# Altium PCB spd150.PcbDoc (part 10 of 16)
Units mm, origin at the board's own origin, x right, y up, seen from the top; angles counter-clockwise.
Board outline 217.35 x 147.5 mm, 10 copper layers (TOP, LYR2-PLN, LYR3-SIG, LYR4-SIG, LYR5-PLN, LYR6-PLN, LYR7-SIG, LYR8-SIG, LYR9-PLN, BOTTOM), stack 2.134 mm thick; 1065 components, 972 nets, 4226 pads, 2810 vias.
Unrouted connection lines stored in the file: 16.
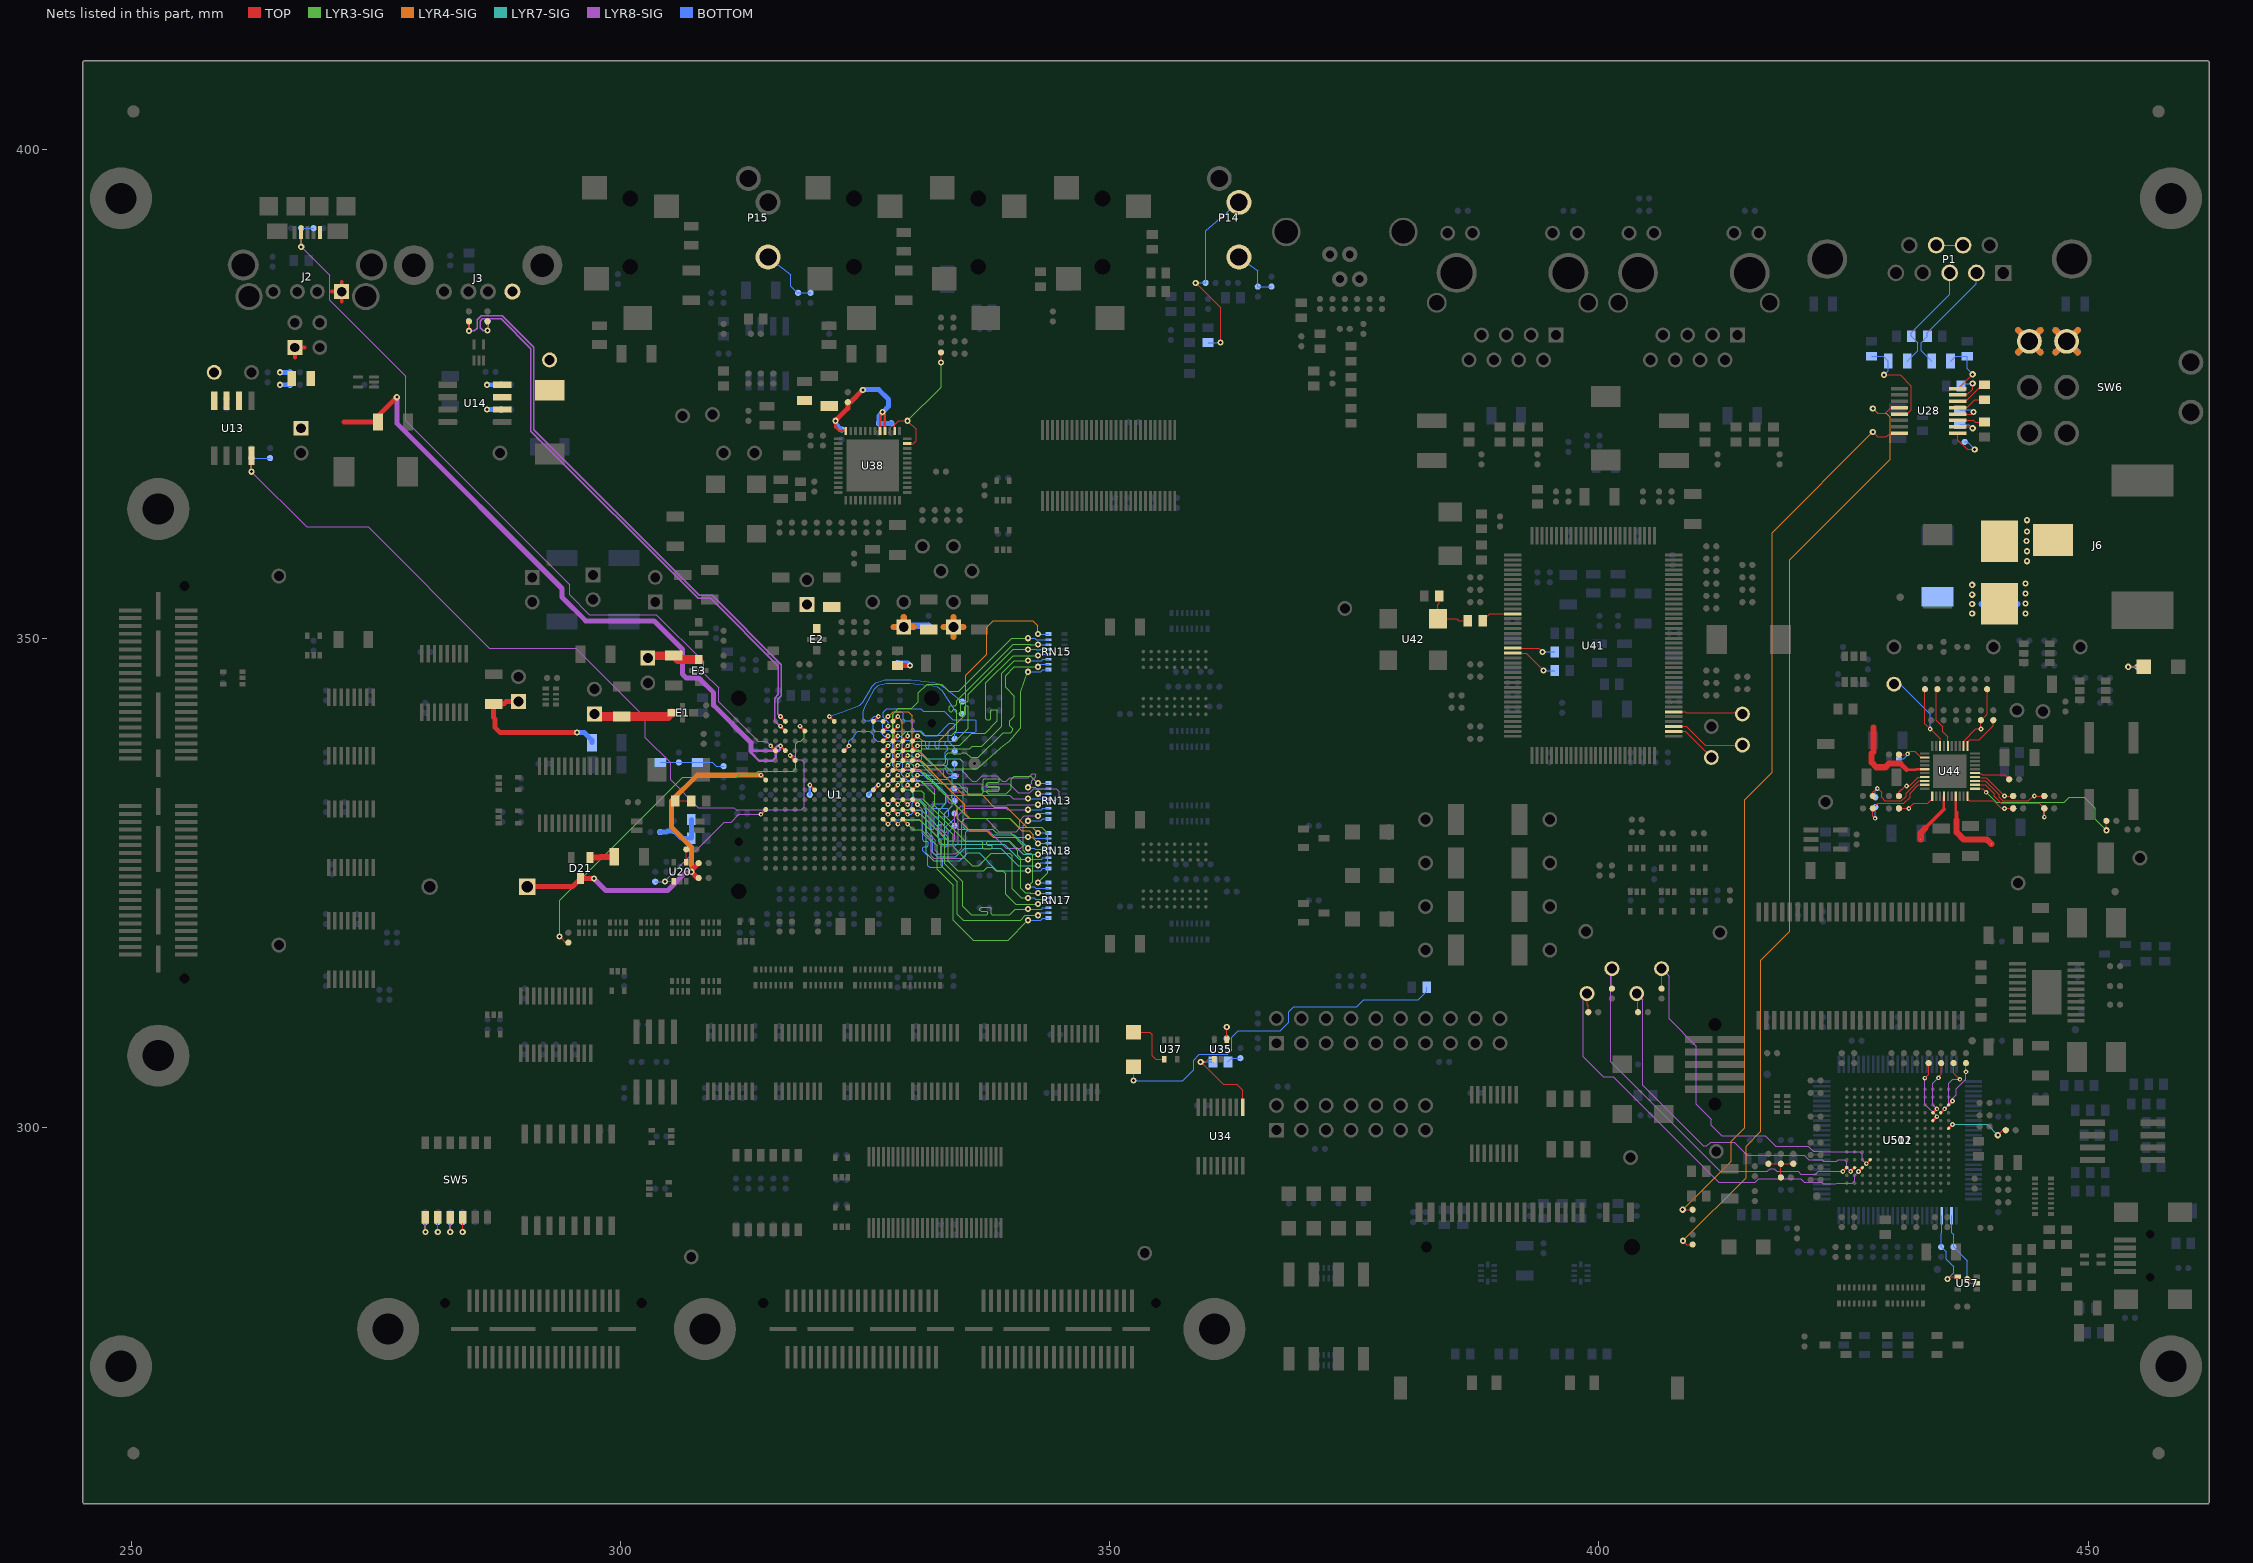
[diagram p18: the nets of this part, all layers, seen from the top]

## Via types
v1: diameter 0.635, hole 0.305, TOP to BOTTOM, 2018 vias
v2: diameter 0.483, hole 0.203, TOP to BOTTOM, 651 vias
v3: diameter 0.508, hole 0.254, TOP to BOTTOM, 120 vias
v4: diameter 0.559, hole 0.254, TOP to BOTTOM, 21 vias

## Nets (pads, with @x,y where several pads share a name; then routed paths per layer and width w, separated by ;. In a path a pad name is that pad's centre, name@x,y a point inside that pad or via, vN(x,y) a via of type N, cw(c..) or ccw(c..) an arc to the next point about the centre after c; other vN are vias at no path point) (continued)
N16604397: R595.1 U502.J1 | length 6.7
  TOP w0.127: v1(440.766,299.212) 441.274,299.72 R595.1@441.579,299.72
  TOP w0.254: U502.J1@435.732,299.905 v2(436.131,300.304)
  LYR7-SIG w0.102: v2(436.131,300.304) 438.277,300.304
  LYR7-SIG w0.127: 438.277,300.304 439.674,300.304 v1(440.766,299.212)
N16611630: R591.2 U502.L2 | length 6.6
  TOP w0.102: R591.2@436.245,306.578 436.245,305.562 v2(436.88,304.927)
  TOP w0.254: U502.L2@434.932,301.506 v2(435.331,301.904)
  LYR8-SIG w0.102: v2(435.331,301.904) 435.737,302.311 435.737,304.495 436.169,304.927 v2(436.88,304.927)
N16612045: R592.2 U502.L3 | length 5.8
  TOP w0.102: v2(434.696,305.079) 434.696,305.156 434.975,305.435 R592.2@434.975,306.578
  TOP w0.254: U502.L3@434.132,301.506 v2(434.53,301.904)
  LYR8-SIG w0.102: v2(434.53,301.904) 434.124,302.311 434.124,304.508 v2(434.696,305.079)
N16612462: R593.2 U502.K3 | length 6.7
  TOP w0.102: v2(433.311,305.041) 433.705,305.435 R593.2@433.705,306.578
  TOP w0.254: U502.K3@434.132,300.706 v2(434.53,301.104)
  LYR8-SIG w0.102: v2(433.311,305.041) 433.324,305.029 433.324,302.387 434.53,301.18 v2(434.53,301.104)
N16612881: R594.2 U502.M1 | length 5
  TOP w0.102: v2(437.515,305.689) R594.2@437.515,306.578
  TOP w0.254: U502.M1@435.732,302.306 v2(436.131,302.704)
  LYR8-SIG w0.102: v2(436.131,302.704) 436.131,302.946 436.524,303.339 436.524,303.936 437.515,304.927 v2(437.515,305.689)
N16777956: C131.1 L4.1 U28.8 | length 6.1
  TOP w0.127: U28.8@436.692,375.529 437.591,376.428 437.642,376.428 v1(438.201,376.987)
  BOTTOM w0.127: L4.1@435.94,378.333 436.448,378.841 C131.1@437.642,378.841 437.642,377.546 v1(438.201,376.987)
N16777958: C132.1 L4.2 P1.2 | length 11.8
  BOTTOM w0.127: L4.2@434.01,378.333 432.943,379.4 432.943,380.238 C132.1@433.578,380.873 433.578,381.254 438.582,386.258 P1.2@438.582,387.35
N16777981: C133.1 U28.2 | length 3.1
  TOP w0.127: U28.2@436.692,371.627 438.048,371.627 v1(438.201,371.475)
  BOTTOM w0.127: C133.1@436.88,371.856 437.82,371.856 v1(438.201,371.475)
N16777985: C133.2 U28.4 | length 3.2
  TOP w0.127: U28.4@436.692,372.928 438.079,372.928 v1(438.277,373.126)
  BOTTOM w0.127: C133.2@436.88,373.38 438.023,373.38 v1(438.277,373.126)
N16777987: C134.2 U28.6 | length 3.4
  TOP w0.127: U28.6@436.692,374.228 437.474,374.228 439.166,375.92 C134.2@439.42,375.92
N16777995: C130.1 L3.2 P1.3 | length 11.3
  BOTTOM w0.127: L3.2@431.495,378.333 432.562,379.4 432.562,380.238 C130.1@431.927,380.873 431.927,381.254 435.839,385.166 P1.3@435.839,387.35
N16778000: C135.1 U28.7 | length 3.6
  TOP w0.127: U28.7@436.692,374.879 437.617,374.879 438.201,375.463 v1(438.201,376.047)
  BOTTOM w0.127: C135.1@437.007,375.793 437.261,376.047 v1(438.201,376.047)
N16778004: C136.1 U28.3 | length 2.8
  TOP w0.127: U28.3@436.692,372.278 438.277,372.278 438.445,372.11 C136.1@439.42,372.11
N16778012: P1.7 P1.8 | length 2.7
  BOTTOM w0.127: P1.8@434.467,390.195 P1.7@437.21,390.195
N16778026: C134.1 U28.5 | length 3.1
  TOP w0.127: U28.5@436.692,373.578 437.586,373.578 438.404,374.396 C134.1@439.42,374.396
N16778040: C129.1 L3.1 U28.13 | length 10.6
  TOP w0.127: v1(429.133,376.936) 430.784,376.936 431.927,375.793 431.927,373.38 431.475,372.928 U28.13@430.718,372.928
  BOTTOM w0.127: C129.1@427.863,378.841 429.057,378.841 L3.1@429.565,378.333 429.565,377.368 v1(429.133,376.936)
N16778044: R148.2 U28.16 | length 91.7
  TOP w0.127: v1(408.559,291.592) R148.2@409.575,291.592 ; v1(427.99,371.094) 428.498,370.586 429.387,370.586 429.778,370.977 U28.16@430.718,370.977
  LYR4-SIG w0.127: v1(408.559,291.592) 413.512,296.545 413.512,298.577 414.909,299.974 414.909,333.502 417.703,336.296 417.703,360.807 v1(427.99,371.094)
N16778046: R149.2 U28.12 | length 99.4
  TOP w0.127: v1(408.584,288.417) 408.965,288.036 R149.2@409.575,288.036 ; v1(427.99,373.507) 428.498,372.999 429.26,372.999 429.839,373.578 U28.12@430.718,373.578
  LYR4-SIG w0.127: v1(408.584,288.417) 415.049,294.881 415.049,298.082 416.56,299.593 416.56,317.119 419.481,320.04 419.481,358.013 429.768,368.3 429.768,372.618 429.387,372.999 428.498,372.999 v1(427.99,373.507)
N16778064: R150.2 U28.1 | length 4.1
  TOP w0.127: U28.1@436.692,370.977 436.692,370.266 437.642,369.316 v1(438.404,369.316)
  BOTTOM w0.127: R150.2@437.388,370.078 437.642,370.078 v1(438.404,369.316)
N16850944: C188.1 P15.2 R221.2 | length 6.4
  BOTTOM w0.127: P15.2@315.062,388.976 317.373,387.172 317.373,385.991 318.046,385.318 R221.2@318.135,385.318 C188.1@319.405,385.318
N16851099: C178.2 P14.5 R211.2 | length 19.2
  TOP w0.127: v1(358.775,386.334) 361.315,383.794 v1(361.315,380.238)
  BOTTOM w0.127: v1(358.775,386.334) R211.2@359.791,386.334 359.791,391.668 P14.5@363.195,394.564 ; C178.2@360.045,380.238 v1(361.315,380.238)
N16851113: P14.2 R216.2 R390.1 | length 5.4
  BOTTOM w0.127: P14.2@363.195,388.976 365.125,387.553 R216.2@365.125,385.953 R390.1@366.522,385.953
N16874132: C29.1 C30.1 J3.1 R60.1 TP4.1 U14.6 U14.7 U14.8 | length 2.9
  BOTTOM w0.508: v1(286.334,373.38) R60.1@287.782,373.38 ; v1(286.334,375.92) C30.1@287.782,375.92
N16933246: R120.2 R223.1 U1.B3 | length 60.9
  TOP w0.152: v1(286.385,381.457) R223.1@286.385,382.397
  TOP w0.254: v2(316.324,341.015) U1.B3@316.824,340.515
  LYR8-SIG w0.152: v1(286.385,381.457) 285.928,381.457 285.623,381.762 285.623,382.417 285.857,382.651 287.782,382.651 290.812,379.621 290.812,371.175 307.911,354.076 309.207,354.076 316.116,347.167 316.116,344.272 315.737,343.893 315.737,342.196 315.742,342.191 315.742,341.597 v2(316.324,341.015)
  BOTTOM w0.152: v1(286.385,381.457) R120.2@286.385,382.397
N16933323: R375.1 R393.1 U1.A3 | length 61
  TOP w0.152: v1(284.48,381.432) R375.1@284.48,382.397
  TOP w0.254: v2(316.324,342.016) U1.A3@316.824,341.516
  LYR8-SIG w0.152: v1(284.48,381.432) 285.039,381.432 285.318,381.711 285.318,382.544 285.73,382.956 287.909,382.956 291.117,379.748 291.117,371.302 308.038,354.381 309.334,354.381 316.421,347.294 316.421,344.145 316.042,343.766 316.042,342.323 316.047,342.318 316.047,342.293 v2(316.324,342.016)
  BOTTOM w0.152: v1(284.48,381.432) R393.1@284.48,382.397
N16979638: R99.2 U1.K15 | length 16.3
  TOP w0.254: U1.K15@328.833,332.509 v2(329.334,332.008)
  BOTTOM w0.102: v2(329.334,332.008) 329.722,332.008 330.116,332.402 330.665,332.402 330.835,332.232 330.835,331.8
  BOTTOM w0.127: 330.835,331.8 331.241,331.394 331.241,329.971 331.368,329.844 331.775,329.844 331.902,329.717 331.902,328.066 332.029,327.939 332.638,327.939 332.765,328.066 332.765,328.803 332.892,328.93 333.019,328.93 333.146,329.057 333.146,329.4 333.035,329.512 332.511,329.512 332.384,329.639 332.384,330.901 332.496,331.013 332.654,331.013 332.765,330.901 332.765,330.004 332.877,329.893 333.035,329.893 333.146,330.004 333.146,330.632 334.137,331.622 R99.2@334.137,332.105
N16979924: R97.2 U1.B13 | length 16.4
  TOP w0.254: U1.B13@326.832,340.515 v2(327.332,341.015)
  BOTTOM w0.102: 326.898,342.519 326.822,342.443 326.822,341.935 327.332,341.424 v2(327.332,341.015)
  BOTTOM w0.127: 326.898,342.519 327.203,342.824 330.66,342.824 330.937,342.547 333.068,342.547 333.934,341.681 336.194,341.681 336.321,341.554 336.321,340.512 336.194,340.385 334.264,340.385 334.137,340.258 R97.2@334.137,339.725
N16979987: R98.2 U1.A12 | length 16.4
  TOP w0.254: U1.A12@325.831,341.516 v2(326.332,342.016)
  BOTTOM w0.102: 324.79,342.519 324.79,341.782 325.018,341.554 325.45,341.554 325.912,342.016 v2(326.332,342.016)
  BOTTOM w0.127: 324.79,342.519 324.998,343.032 325.958,344.856 326.281,345.178 326.456,345.242 327.2,345.415 329.562,345.415 331.879,345.168 332.379,345.041 332.793,344.686 334.315,342.384 R98.2@334.899,342.265
N16979989: R95.2 U1.K14 | length 16.5
  TOP w0.254: U1.K14@327.833,332.509 v2(328.333,332.008)
  BOTTOM w0.102: v2(328.333,332.008) 328.806,332.481 329.433,332.481 329.819,332.867 329.819,333.121 330.101,333.403 330.553,333.403
  BOTTOM w0.127: 330.553,333.403 331.025,332.93 331.025,332.575 331.292,332.308 331.292,331.927 331.648,331.572 331.648,330.599 331.767,330.479 331.935,330.479 332.054,330.599 332.054,331.622 332.181,331.749 333.4,331.749 333.527,331.876 333.527,332.489 333.4,332.616 331.861,332.616 331.749,332.727 331.749,332.969 331.876,333.096 333.146,333.096 333.273,333.223 333.273,333.858 333.4,333.985 334.01,333.985 334.137,333.858 R95.2@334.137,333.375
N16979991: R96.2 U1.C15 | length 16.4
  TOP w0.254: U1.C15@328.833,339.514 v2(329.334,340.015)
  BOTTOM w0.102: v2(329.334,340.015) 329.334,340.385 329.207,340.512 327.965,340.512 327.838,340.639 327.838,342.265 328.066,342.494 328.727,342.494 328.879,342.341 328.879,341.757 329.057,341.579 329.667,341.579 329.837,341.409 329.837,340.804 330.078,340.563 330.655,340.563 330.835,340.383
  BOTTOM w0.127: 330.835,340.383 331.155,340.063 332.369,340.063 333.606,341.3 334.013,341.3 334.14,341.173 334.14,340.868 334.013,340.741 333.756,340.741 333.502,340.487 333.502,339.471 334.137,338.836 R96.2@334.137,338.455
N16980201: R92.2 U1.D9 | length 16.4
  TOP w0.254: U1.D9@322.829,338.513 v2(323.329,339.014)
  BOTTOM w0.102: v2(323.329,339.014) 323.329,339.456 323.723,339.849 323.723,339.852 323.85,339.979 323.85,340.106 324.231,340.487 325.476,340.487 325.857,340.106 325.857,339.842 326.227,339.471 327.533,339.471 327.787,339.217 327.787,336.992 328.374,336.405 328.498,336.405 328.727,336.177 328.727,336.052 329.27,335.509 330.568,335.509 330.835,335.242
  BOTTOM w0.127: 330.835,335.242 330.896,335.181 332.923,335.181 333.459,334.645 R92.2@334.137,334.645
N16980252: R93.2 U1.L13 | length 16.3
  TOP w0.254: U1.L13@326.832,331.508 v2(327.332,331.008)
  BOTTOM w0.102: v2(327.332,331.008) 327.795,331.47 330.505,331.47 330.835,331.14
  BOTTOM w0.127: 330.835,331.14 330.86,331.114 330.86,329.387 330.987,329.26 331.318,329.26 331.445,329.133 331.445,328.828 331.318,328.701 330.987,328.701 330.86,328.574 330.86,328.295 331.394,327.762 331.394,326.771 331.572,326.593 332.765,326.593 332.918,326.746 332.918,327.584 333.146,327.812 333.146,328.59 333.477,328.92 333.477,330.175 R93.2@334.137,330.835
N16980254: R94.2 U1.A8 | length 16.4
  TOP w0.254: v2(321.328,342.016) U1.A8@321.828,341.516
  BOTTOM w0.127: v2(321.328,342.016) 322.712,342.519 324.447,343.141 324.752,343.446 325.359,344.513 325.725,345.12 326.065,345.453 326.977,345.785 329.72,345.785 331.937,345.496 332.511,345.356 333.2,344.889 R94.2@334.899,343.535
N16980266: R90.2 U1.C13 | length 16.4
  TOP w0.254: U1.C13@326.832,339.514 v2(327.332,340.015)
  BOTTOM w0.102: v2(327.332,340.015) 326.964,340.015 326.492,340.487 325.961,340.487 325.806,340.642 325.806,341.422 325.938,341.554 326.697,341.554 326.796,341.455 326.796,340.792 327,340.589 327.457,340.589 327.863,340.182 327.863,339.649 327.983,339.529 328.491,339.529 328.833,339.187 328.833,336.743 329.075,336.502 330.482,336.502 330.835,336.149
  BOTTOM w0.127: 330.835,336.149 331.396,335.587 333.304,335.587 333.632,335.915 R90.2@334.137,335.915
N16980268: R91.2 U1.C14 | length 16.4
  TOP w0.254: U1.C14@327.833,339.514 v2(328.333,340.015)
  BOTTOM w0.102: v2(328.333,340.015) 328.666,340.015 329.082,339.598 329.443,339.598 329.809,339.232 329.809,337.744 330.022,337.53 330.708,337.53
  BOTTOM w0.127: 330.708,337.53 330.761,337.584 330.761,339.415 330.878,339.532 331.043,339.532 331.16,339.415 331.16,338.91 331.287,338.783 331.432,338.783 331.559,338.91 331.559,339.339 331.686,339.466 332.031,339.466 332.158,339.339 332.158,338.91 332.285,338.783 332.445,338.783 332.583,338.92 332.583,339.331 332.717,339.466 333.06,339.466 333.187,339.339 333.187,339.08 333.438,338.828 333.438,338.628 333.187,338.376 333.187,337.769 333.428,337.528 333.428,337.124 333.187,336.883 333.187,336.608 333.314,336.481 334.01,336.481 334.137,336.608 R91.2@334.137,337.185
N16995487: C44.1 C45.1 C607.1 D21.3 U1.G1 | length 39.7
  TOP w0.254: v2(314.322,336.012) U1.G1@314.823,335.511
  TOP w0.508: C607.1@290.449,324.612 295.072,324.612 D21.3@295.91,325.45 v1(297.256,325.45) ; C44.1@307.975,325.501 307.848,325.501 v1(307.213,326.136) 307.213,326.263 C45.1@307.975,327.025
  LYR4-SIG w0.508: v1(307.213,326.136) 307.213,328.676 305.181,330.708 305.181,333.375 307.818,336.012 v2(314.322,336.012)
  LYR8-SIG w0.508: v1(297.256,325.45) 298.475,324.231 304.8,324.231 306.705,326.136 v1(307.213,326.136)
N17006114: D21.1 R100.2 | length 2.5
  TOP w0.635: D21.1@296.875,327.584 297.866,327.584 297.942,327.66 R100.2@299.339,327.66
N17058094: L24.2 PTP3.1 R119.2 | length 15.8
  TOP w0.508: PTP3.1@289.56,343.535 288.29,343.535 288.036,343.281 R119.2@287.02,343.281 287.02,341.884 287.172,341.732 287.172,340.868 287.68,340.36 v1(295.529,340.36)
  BOTTOM w0.508: v1(295.529,340.36) 296.291,340.36 297.053,339.598 L24.2@297.053,339.344
N17058140: C52.1 C53.1 C54.1 C55.1 PTP4.1 PTP5.1 R117.2 R118.1 U1.H6 U1.H12 | length 16.2
  TOP w0.254: v2(319.326,335.011) U1.H6@319.827,334.51 ; U1.H12@325.831,334.51 v2(326.332,335.011)
  TOP w0.508: C52.1@328.295,347.218 v1(329.565,347.218)
  LYR4-SIG w0.635: 327.914,351.155 PTP5.1@328.93,351.155 ; 328.93,352.171 PTP5.1@328.93,351.155 ; 329.946,351.155 PTP5.1@328.93,351.155 ; 332.994,351.155 PTP4.1@334.01,351.155 ; 334.01,350.139 PTP4.1@334.01,351.155 ; 334.01,352.171 PTP4.1@334.01,351.155 ; 335.026,351.155 PTP4.1@334.01,351.155
  BOTTOM w0.254: v2(319.326,335.011) 319.329,335.008 C53.1@319.329,334.01 ; C54.1@325.374,334.01 325.374,334.137 326.248,335.011 v2(326.332,335.011)
  BOTTOM w0.508: C55.1@328.295,347.472 329.311,347.472 v1(329.565,347.218)
  BOTTOM w0.635: PTP5.1@328.93,351.155 329.057,351.282 R117.2@331.47,351.282
N17115833: R376.2 SW5.1 | length 2.5
  TOP w0.127: v1(280.035,289.306) SW5.1@280.035,290.83
  BOTTOM w0.127: v1(280.035,289.306) R376.2@280.035,290.322
N17115853: R377.2 SW5.2 | length 2.5
  TOP w0.127: v1(281.305,289.306) SW5.2@281.305,290.83
  BOTTOM w0.127: v1(281.305,289.306) R377.2@281.305,290.322
N17115873: R378.2 SW5.3 | length 2.5
  TOP w0.127: v1(282.575,289.306) SW5.3@282.575,290.83
  BOTTOM w0.127: v1(282.575,289.306) R378.2@282.575,290.322
N17115893: R379.2 SW5.4 | length 2.5
  TOP w0.127: v1(283.845,289.306) SW5.4@283.845,290.83
  BOTTOM w0.127: v1(283.845,289.306) R379.2@283.845,290.322
N17156427: J2.1A J2.1AB J2.1B L1.1 | length 5.1
  TOP w0.381: 266.7,378.714 J2.1B@266.7,379.73 267.716,379.73 ; 270.459,385.445 J2.1A@271.475,385.445 ; 271.475,384.429 J2.1A@271.475,385.445 ; 271.475,386.461 J2.1A@271.475,385.445
N17156502: J2.4AB R58.1 R59.2 U1.D2 | length 80.7
  TOP w0.127: J2.4AB@267.322,391.477 267.322,390.03 v1(267.335,390.017)
  TOP w0.254: v2(315.323,339.014) U1.D2@315.824,338.513
  LYR8-SIG w0.102: 314.071,339.471 314.866,339.471 v2(315.323,339.014)
  LYR8-SIG w0.127: v1(267.335,390.017) 270.256,387.096 270.256,384.556 278.003,376.809 278.003,372.237 294.767,355.473 294.767,354.457 296.799,352.425 303.657,352.425 308.483,347.599 308.483,346.456 310.007,344.932 310.007,343.535 314.071,339.471
  BOTTOM w0.127: v1(267.335,390.017) R58.1@267.335,391.922 R59.2@268.605,391.922
N17165886: R603.1 U57.4 U511.54 | length 8.4
  TOP w0.127: v1(435.61,284.505) 435.854,284.749 U57.4@436.651,284.749
  BOTTOM w0.127: U511.54@435.033,290.957 435.033,289.237 434.975,289.179 R603.1@434.975,287.782 435.483,287.274 435.483,286.512 436.245,285.75 436.245,285.14 v1(435.61,284.505)
N17166085: R602.1 U57.2 U511.52 | length 8.3
  TOP w0.127: v1(437.642,284.48) 438.023,284.099 U57.2@438.633,284.099
  BOTTOM w0.127: U511.52@436.034,290.957 436.034,289.263 436.245,289.052 R602.1@436.245,287.782 437.642,286.385 v1(437.642,284.48)
N17193780: C14.1 C15.1 J1.1 L1.2 R52.1 TP1.1 U1.D3 U13.6 U13.7 U13.8 | length 73.4
  TOP w0.254: v2(316.324,339.014) U1.D3@316.824,338.513
  TOP w0.508: 271.704,372.11 C14.1@275.209,372.11 275.209,372.745 v1(277.114,374.65)
  LYR8-SIG w0.254: 313.309,338.328 314.147,337.49 315.519,337.49 315.849,337.82 315.849,338.226 316.324,338.701 v2(316.324,339.014) 316.027,339.014 315.519,338.506 313.309,338.506 313.309,338.328
  LYR8-SIG w0.508: v1(277.114,374.65) 277.114,371.983 294.005,355.092 294.005,354.203 296.418,351.79 303.403,351.79 306.324,348.869 306.324,346.329 306.705,345.948 307.975,345.948 309.499,344.424 309.499,343.154 313.309,339.344 313.309,338.506
  BOTTOM w0.508: v1(265.176,375.92) R52.1@266.192,375.92 ; v1(265.176,377.19) C15.1@266.192,377.19
N17193794: R54.2 R56.1 U1.E4 U13.4 | length 85.1
  TOP w0.127: v1(262.255,367.03) U13.4@262.255,368.681
  TOP w0.254: v2(317.325,338.013) U1.E4@317.825,337.513
  LYR8-SIG w0.102: v2(317.325,338.013) 317.688,338.013 318.135,337.566 318.516,337.566 318.77,337.312 318.77,334.772
  LYR8-SIG w0.127: v1(262.255,367.03) 267.894,361.391 274.183,361.391 286.578,348.996 295.402,348.996 302.514,341.884 302.514,339.852 305.092,337.274 305.092,335.557 307.947,332.702 311.561,332.702 311.798,332.466 318.43,332.466 318.77,332.806 318.77,334.772
  BOTTOM w0.127: v1(262.255,367.03) R56.1@262.255,368.427 R54.2@264.16,368.427
N17206478: R383.1 TP35.1 U502.D14 | length 41
  TOP w0.127: R383.1@401.32,314.198 TP35.1@401.32,316.23
  TOP w0.254: v2(424.927,295.501) U502.D14@425.328,295.902
  LYR8-SIG w0.102: 422.783,295.501 v2(424.927,295.501)
  LYR8-SIG w0.127: TP35.1@401.32,316.23 401.193,316.103 401.193,306.705 412.397,295.501 417.21,295.501 417.492,295.783 417.914,295.783 418.196,295.501 420.345,295.501 420.619,295.227 422.148,295.227 422.422,295.501 422.783,295.501
N17206490: R382.1 TP36.1 U502.D13 | length 37.8
  TOP w0.127: TP36.1@403.86,313.69 403.987,313.563 R382.1@403.987,311.785
  TOP w0.254: v2(425.727,295.501) U502.D13@426.128,295.902
  LYR8-SIG w0.102: 422.783,296.695 422.946,296.532 424.32,296.532 424.482,296.695 425.092,296.695 425.32,296.466 425.32,295.913 425.727,295.506 v2(425.727,295.501)
  LYR8-SIG w0.127: TP36.1@403.86,313.69 404.495,313.055 404.495,304.297 410.66,298.132 411.03,298.132 411.411,298.513 413.829,298.513 415.163,297.18 420.957,297.18 421.442,296.695 422.783,296.695
N17206503: R381.1 TP37.1 U502.D12 | length 43.8
  TOP w0.127: TP37.1@398.78,313.69 398.78,312.547 398.907,312.42 R381.1@398.907,311.785
  TOP w0.254: v2(426.527,295.501) U502.D12@426.928,295.902
  LYR8-SIG w0.102: 422.783,294.378 422.915,294.246 424.218,294.246 424.279,294.307 425.892,294.307 426.121,294.536 426.121,295.095 v2(426.527,295.501)
  LYR8-SIG w0.127: TP37.1@398.78,313.69 398.399,313.309 398.399,307.213 400.431,305.181 401.447,305.181 412.25,294.378 415.961,294.378 416.349,294.767 420.616,294.767 421.005,294.378 422.783,294.378
N17206516: R380.1 TP38.1 U502.E11 | length 38.5
  TOP w0.127: R380.1@406.4,314.198 TP38.1@406.4,316.23
  TOP w0.254: v2(427.327,296.301) U502.E11@427.728,296.702
  LYR8-SIG w0.102: 422.783,297.561 422.836,297.508 426.679,297.508 426.921,297.266 426.921,296.725 427.327,296.319 v2(427.327,296.301)
  LYR8-SIG w0.127: TP38.1@406.4,316.23 407.162,315.468 407.162,311.099 409.956,308.305 409.956,302.387 411.48,300.863 411.48,300.228 412.559,299.149 416.999,299.149 418.079,298.069 421.386,298.069 421.894,297.561 422.783,297.561
N17212921: C153.1 C154.1 C155.1 C156.1 C157.1 L7.1 U38.16 U38.17 U38.24 | length 18.7

## Text inside footprints (layer, text, board x,y; h text height)
R7: PIN_NUMBER "1" at 323.647,348.488 h0.51 r90; PIN_NUMBER "2" at 323.647,347.472 h0.51 r90; ASSEMBLY_BOTTOM "22" at 323.85,347.98 h0.64 r90; ASSEMBLY_BOTTOM "TOLERANCE" at 326.39,347.98 h0.64 r90; ASSEMBLY_BOTTOM "USERPART#" at 327.66,347.98 h0.64 r90; SYMBOL_PART_DIM "PAD 35X32 OV" at 328.625,351.104 h0.64 r90; SYMBOL_PART_DIM "C402-35X32" at 327.355,351.104 h0.64 r90; SYMBOL_PART_DIM "0" at 325.984,348.183 h0.64 r90; SYMBOL_PART_DIM "0" at 324.18,350.317 h0.64 r90
R8: PIN_NUMBER "2" at 326.187,347.472 h0.51 r270; PIN_NUMBER "1" at 326.187,348.488 h0.51 r270; ASSEMBLY_TOP "22" at 326.39,347.98 h0.64 r270; ASSEMBLY_TOP "TOLERANCE" at 323.85,347.98 h0.64 r270; ASSEMBLY_TOP "USERPART#" at 322.58,347.98 h0.64 r270; SYMBOL_PART_DIM "PAD 35X32 OV" at 321.615,351.104 h0.64 r270; SYMBOL_PART_DIM "C402-35X32" at 322.885,351.104 h0.64 r270; SYMBOL_PART_DIM "0" at 324.256,348.183 h0.64 r270; SYMBOL_PART_DIM "0" at 326.06,350.317 h0.64 r270
R9: PIN_NUMBER "2" at 324.917,347.472 h0.51 r270; PIN_NUMBER "1" at 324.917,348.488 h0.51 r270; ASSEMBLY_TOP "22" at 325.12,347.98 h0.64 r270; ASSEMBLY_TOP "TOLERANCE" at 322.58,347.98 h0.64 r270; ASSEMBLY_TOP "USERPART#" at 321.31,347.98 h0.64 r270; SYMBOL_PART_DIM "PAD 35X32 OV" at 320.345,351.104 h0.64 r270; SYMBOL_PART_DIM "C402-35X32" at 321.615,351.104 h0.64 r270; SYMBOL_PART_DIM "0" at 322.986,348.183 h0.64 r270; SYMBOL_PART_DIM "0" at 324.79,350.317 h0.64 r270
R10: PIN_NUMBER "2" at 324.917,347.472 h0.51 r90; PIN_NUMBER "1" at 324.917,348.488 h0.51 r90; ASSEMBLY_BOTTOM "22" at 325.12,347.98 h0.64 r90; ASSEMBLY_BOTTOM "TOLERANCE" at 327.66,347.98 h0.64 r90; ASSEMBLY_BOTTOM "USERPART#" at 328.93,347.98 h0.64 r90; SYMBOL_PART_DIM "PAD 35X32 OV" at 329.895,351.104 h0.64 r90; SYMBOL_PART_DIM "C402-35X32" at 328.625,351.104 h0.64 r90; SYMBOL_PART_DIM "0" at 327.254,348.183 h0.64 r90; SYMBOL_PART_DIM "0" at 325.45,350.317 h0.64 r90
R11: PIN_NUMBER "1" at 323.647,351.663 h0.51 r270; PIN_NUMBER "2" at 323.647,350.647 h0.51 r270; ASSEMBLY_TOP "22" at 323.85,351.155 h0.64 r270; ASSEMBLY_TOP "TOLERANCE" at 321.31,351.155 h0.64 r270; ASSEMBLY_TOP "USERPART#" at 320.04,351.155 h0.64 r270; SYMBOL_PART_DIM "PAD 35X32 OV" at 319.075,354.279 h0.64 r270; SYMBOL_PART_DIM "C402-35X32" at 320.345,354.279 h0.64 r270; SYMBOL_PART_DIM "0" at 321.716,351.358 h0.64 r270; SYMBOL_PART_DIM "0" at 323.52,353.492 h0.64 r270
R12: PIN_NUMBER "2" at 322.377,347.472 h0.51 r270; PIN_NUMBER "1" at 322.377,348.488 h0.51 r270; ASSEMBLY_TOP "22" at 322.58,347.98 h0.64 r270; ASSEMBLY_TOP "TOLERANCE" at 320.04,347.98 h0.64 r270; ASSEMBLY_TOP "USERPART#" at 318.77,347.98 h0.64 r270; SYMBOL_PART_DIM "PAD 35X32 OV" at 317.805,351.104 h0.64 r270; SYMBOL_PART_DIM "C402-35X32" at 319.075,351.104 h0.64 r270; SYMBOL_PART_DIM "0" at 320.446,348.183 h0.64 r270; SYMBOL_PART_DIM "0" at 322.25,350.317 h0.64 r270
R13: PIN_NUMBER "2" at 322.377,351.663 h0.51 r90; PIN_NUMBER "1" at 322.377,350.647 h0.51 r90; ASSEMBLY_TOP "NO-POP" at 322.58,351.155 h0.64 r90; ASSEMBLY_TOP "TOLERANCE" at 325.12,351.155 h0.64 r90; ASSEMBLY_TOP "USERPART#" at 326.39,351.155 h0.64 r90; SYMBOL_PART_DIM "PAD 35X32 OV" at 327.355,348.031 h0.64 r90; SYMBOL_PART_DIM "C402-35X32" at 326.085,348.031 h0.64 r90; SYMBOL_PART_DIM "0" at 324.714,350.952 h0.64 r90; SYMBOL_PART_DIM "0" at 322.91,348.818 h0.64 r90
R14: PIN_NUMBER "2" at 322.377,347.472 h0.51 r90; PIN_NUMBER "1" at 322.377,348.488 h0.51 r90; ASSEMBLY_BOTTOM "22" at 322.58,347.98 h0.64 r90; ASSEMBLY_BOTTOM "TOLERANCE" at 325.12,347.98 h0.64 r90; ASSEMBLY_BOTTOM "USERPART#" at 326.39,347.98 h0.64 r90; SYMBOL_PART_DIM "PAD 35X32 OV" at 327.355,351.104 h0.64 r90; SYMBOL_PART_DIM "C402-35X32" at 326.085,351.104 h0.64 r90; SYMBOL_PART_DIM "0" at 324.714,348.183 h0.64 r90; SYMBOL_PART_DIM "0" at 322.91,350.317 h0.64 r90
R15: PIN_NUMBER "2" at 294.437,319.913 h0.51 r90; PIN_NUMBER "1" at 294.437,318.897 h0.51 r90; ASSEMBLY_TOP "0" at 294.64,319.405 h0.64 r90; ASSEMBLY_TOP "TOLERANCE" at 297.18,319.405 h0.64 r90; ASSEMBLY_TOP "USERPART#" at 298.45,319.405 h0.64 r90; SYMBOL_PART_DIM "PAD 35X32 OV" at 299.415,316.281 h0.64 r90; SYMBOL_PART_DIM "C402-35X32" at 298.145,316.281 h0.64 r90; SYMBOL_PART_DIM "0" at 296.774,319.202 h0.64 r90; SYMBOL_PART_DIM "0" at 294.97,317.068 h0.64 r90
R16: PIN_NUMBER "2" at 323.647,350.647 h0.51 r90; PIN_NUMBER "1" at 323.647,351.663 h0.51 r90; ASSEMBLY_BOTTOM "22" at 323.85,351.155 h0.64 r90; ASSEMBLY_BOTTOM "TOLERANCE" at 326.39,351.155 h0.64 r90; ASSEMBLY_BOTTOM "USERPART#" at 327.66,351.155 h0.64 r90; SYMBOL_PART_DIM "PAD 35X32 OV" at 328.625,354.279 h0.64 r90; SYMBOL_PART_DIM "C402-35X32" at 327.355,354.279 h0.64 r90; SYMBOL_PART_DIM "0" at 325.984,351.358 h0.64 r90; SYMBOL_PART_DIM "0" at 324.18,353.492 h0.64 r90
R17: PIN_NUMBER "1" at 322.377,351.663 h0.51 r90; PIN_NUMBER "2" at 322.377,350.647 h0.51 r90; ASSEMBLY_BOTTOM "2K" at 322.58,351.155 h0.64 r90; ASSEMBLY_BOTTOM "TOLERANCE" at 325.12,351.155 h0.64 r90; ASSEMBLY_BOTTOM "USERPART#" at 326.39,351.155 h0.64 r90; SYMBOL_PART_DIM "PAD 35X32 OV" at 327.355,354.279 h0.64 r90; SYMBOL_PART_DIM "C402-35X32" at 326.085,354.279 h0.64 r90; SYMBOL_PART_DIM "0" at 324.714,351.358 h0.64 r90; SYMBOL_PART_DIM "0" at 322.91,353.492 h0.64 r90
R18: PIN_NUMBER "1" at 279.832,342.392 h0.51 r270; PIN_NUMBER "2" at 279.832,343.408 h0.51 r270; ASSEMBLY_BOTTOM "2K" at 280.035,342.9 h0.64 r270; ASSEMBLY_BOTTOM "TOLERANCE" at 277.495,342.9 h0.64 r270; ASSEMBLY_BOTTOM "USERPART#" at 276.225,342.9 h0.64 r270; SYMBOL_PART_DIM "PAD 35X32 OV" at 275.26,339.776 h0.64 r270; SYMBOL_PART_DIM "C402-35X32" at 276.53,339.776 h0.64 r270; SYMBOL_PART_DIM "0" at 277.901,342.697 h0.64 r270; SYMBOL_PART_DIM "0" at 279.705,340.563 h0.64 r270
R19: PIN_NUMBER "1" at 287.706,332.232 h0.51 r90; PIN_NUMBER "2" at 287.706,331.216 h0.51 r90; ASSEMBLY_BOTTOM "2K" at 287.909,331.724 h0.64 r90; ASSEMBLY_BOTTOM "TOLERANCE" at 290.449,331.724 h0.64 r90; ASSEMBLY_BOTTOM "USERPART#" at 291.719,331.724 h0.64 r90; SYMBOL_PART_DIM "PAD 35X32 OV" at 292.684,334.848 h0.64 r90; SYMBOL_PART_DIM "C402-35X32" at 291.414,334.848 h0.64 r90; SYMBOL_PART_DIM "0" at 290.043,331.927 h0.64 r90; SYMBOL_PART_DIM "0" at 288.239,334.061 h0.64 r90
R20: PIN_NUMBER "1" at 336.982,364.617 h0.51 r90; PIN_NUMBER "2" at 336.982,365.633 h0.51 r90; ASSEMBLY_TOP "2K" at 337.185,365.125 h0.64 r90; ASSEMBLY_TOP "TOLERANCE" at 339.725,365.125 h0.64 r90; ASSEMBLY_TOP "USERPART#" at 340.995,365.125 h0.64 r90; SYMBOL_PART_DIM "PAD 35X32 OV" at 341.96,362.001 h0.64 r90; SYMBOL_PART_DIM "C402-35X32" at 340.69,362.001 h0.64 r90; SYMBOL_PART_DIM "0" at 339.319,364.922 h0.64 r90; SYMBOL_PART_DIM "0" at 337.515,362.788 h0.64 r90
R21: PIN_NUMBER "2" at 354.127,363.347 h0.51 r90; PIN_NUMBER "1" at 354.127,364.363 h0.51 r90; ASSEMBLY_BOTTOM "360" at 354.33,363.855 h0.64 r90; ASSEMBLY_BOTTOM "TOLERANCE" at 356.87,363.855 h0.64 r90; ASSEMBLY_BOTTOM "USERPART#" at 358.14,363.855 h0.64 r90; SYMBOL_PART_DIM "PAD 35X32 OV" at 359.105,366.979 h0.64 r90; SYMBOL_PART_DIM "C402-35X32" at 357.835,366.979 h0.64 r90; SYMBOL_PART_DIM "0" at 356.464,364.058 h0.64 r90; SYMBOL_PART_DIM "0" at 354.66,366.192 h0.64 r90
R22: PIN_NUMBER "1" at 352.73,372.11 h0.51; PIN_NUMBER "2" at 351.714,372.11 h0.51; ASSEMBLY_BOTTOM "1K" at 352.425,372.11 h0.64; ASSEMBLY_BOTTOM "TOLERANCE" at 352.425,369.57 h0.64; ASSEMBLY_BOTTOM "USERPART#" at 352.425,368.3 h0.64; SYMBOL_PART_DIM "PAD 35X32 OV" at 355.549,367.335 h0.64; SYMBOL_PART_DIM "C402-35X32" at 355.549,368.605 h0.64; SYMBOL_PART_DIM "0" at 352.628,369.976 h0.64; SYMBOL_PART_DIM "0" at 354.762,371.78 h0.64
R23: PIN_NUMBER "1" at 356.667,363.347 h0.51 r270; PIN_NUMBER "2" at 356.667,364.363 h0.51 r270; ASSEMBLY_BOTTOM "360" at 356.87,363.855 h0.64 r270; ASSEMBLY_BOTTOM "TOLERANCE" at 354.33,363.855 h0.64 r270; ASSEMBLY_BOTTOM "USERPART#" at 353.06,363.855 h0.64 r270; SYMBOL_PART_DIM "PAD 35X32 OV" at 352.095,360.731 h0.64 r270; SYMBOL_PART_DIM "C402-35X32" at 353.365,360.731 h0.64 r270; SYMBOL_PART_DIM "0" at 354.736,363.652 h0.64 r270; SYMBOL_PART_DIM "0" at 356.54,361.518 h0.64 r270
R24: PIN_NUMBER "1" at 319.837,320.802 h0.51 r270; PIN_NUMBER "2" at 319.837,321.818 h0.51 r270; ASSEMBLY_BOTTOM "20K" at 320.04,321.31 h0.64 r270; ASSEMBLY_BOTTOM "TOLERANCE" at 317.5,321.31 h0.64 r270; ASSEMBLY_BOTTOM "USERPART#" at 316.23,321.31 h0.64 r270; SYMBOL_PART_DIM "PAD 35X32 OV" at 315.265,318.186 h0.64 r270; SYMBOL_PART_DIM "C402-35X32" at 316.535,318.186 h0.64 r270; SYMBOL_PART_DIM "0" at 317.906,321.107 h0.64 r270; SYMBOL_PART_DIM "0" at 319.71,318.973 h0.64 r270
R25: PIN_NUMBER "1" at 316.027,320.802 h0.51 r270; PIN_NUMBER "2" at 316.027,321.818 h0.51 r270; ASSEMBLY_BOTTOM "20K" at 316.23,321.31 h0.64 r270; ASSEMBLY_BOTTOM "TOLERANCE" at 313.69,321.31 h0.64 r270; ASSEMBLY_BOTTOM "USERPART#" at 312.42,321.31 h0.64 r270; SYMBOL_PART_DIM "PAD 35X32 OV" at 311.455,318.186 h0.64 r270; SYMBOL_PART_DIM "C402-35X32" at 312.725,318.186 h0.64 r270; SYMBOL_PART_DIM "0" at 314.096,321.107 h0.64 r270; SYMBOL_PART_DIM "0" at 315.9,318.973 h0.64 r270
R26: PIN_NUMBER "1" at 317.297,320.802 h0.51 r270; PIN_NUMBER "2" at 317.297,321.818 h0.51 r270; ASSEMBLY_BOTTOM "20K" at 317.5,321.31 h0.64 r270; ASSEMBLY_BOTTOM "TOLERANCE" at 314.96,321.31 h0.64 r270; ASSEMBLY_BOTTOM "USERPART#" at 313.69,321.31 h0.64 r270; SYMBOL_PART_DIM "PAD 35X32 OV" at 312.725,318.186 h0.64 r270; SYMBOL_PART_DIM "C402-35X32" at 313.995,318.186 h0.64 r270; SYMBOL_PART_DIM "0" at 315.366,321.107 h0.64 r270; SYMBOL_PART_DIM "0" at 317.17,318.973 h0.64 r270
R27: PIN_NUMBER "1" at 319.837,323.342 h0.51 r270; PIN_NUMBER "2" at 319.837,324.358 h0.51 r270; ASSEMBLY_BOTTOM "22" at 320.04,323.85 h0.64 r270; ASSEMBLY_BOTTOM "TOLERANCE" at 317.5,323.85 h0.64 r270; ASSEMBLY_BOTTOM "USERPART#" at 316.23,323.85 h0.64 r270; SYMBOL_PART_DIM "PAD 35X32 OV" at 315.265,320.726 h0.64 r270; SYMBOL_PART_DIM "C402-35X32" at 316.535,320.726 h0.64 r270; SYMBOL_PART_DIM "0" at 317.906,323.647 h0.64 r270; SYMBOL_PART_DIM "0" at 319.71,321.513 h0.64 r270
R28: PIN_NUMBER "1" at 319.964,321.056 h0.51 r270; PIN_NUMBER "2" at 319.964,320.04 h0.51 r270; ASSEMBLY_TOP "NO-POP" at 320.167,320.548 h0.64 r270; ASSEMBLY_TOP "TOLERANCE" at 317.627,320.548 h0.64 r270; ASSEMBLY_TOP "USERPART#" at 316.357,320.548 h0.64 r270; SYMBOL_PART_DIM "PAD 35X32 OV" at 315.392,323.672 h0.64 r270; SYMBOL_PART_DIM "C402-35X32" at 316.662,323.672 h0.64 r270; SYMBOL_PART_DIM "0" at 318.033,320.751 h0.64 r270; SYMBOL_PART_DIM "0" at 319.837,322.885 h0.64 r270
R29: PIN_NUMBER "1" at 320.472,343.662 h0.51 r270; PIN_NUMBER "2" at 320.472,344.678 h0.51 r270; ASSEMBLY_BOTTOM "22" at 320.675,344.17 h0.64 r270; ASSEMBLY_BOTTOM "TOLERANCE" at 318.135,344.17 h0.64 r270; ASSEMBLY_BOTTOM "USERPART#" at 316.865,344.17 h0.64 r270; SYMBOL_PART_DIM "PAD 35X32 OV" at 315.9,341.046 h0.64 r270; SYMBOL_PART_DIM "C402-35X32" at 317.17,341.046 h0.64 r270; SYMBOL_PART_DIM "0" at 318.541,343.967 h0.64 r270; SYMBOL_PART_DIM "0" at 320.345,341.833 h0.64 r270
R30: PIN_NUMBER "2" at 321.742,344.678 h0.51 r270; PIN_NUMBER "1" at 321.742,343.662 h0.51 r270; ASSEMBLY_BOTTOM "22" at 321.945,344.17 h0.64 r270; ASSEMBLY_BOTTOM "TOLERANCE" at 319.405,344.17 h0.64 r270; ASSEMBLY_BOTTOM "USERPART#" at 318.135,344.17 h0.64 r270; SYMBOL_PART_DIM "PAD 35X32 OV" at 317.17,341.046 h0.64 r270; SYMBOL_PART_DIM "C402-35X32" at 318.44,341.046 h0.64 r270; SYMBOL_PART_DIM "0" at 319.811,343.967 h0.64 r270; SYMBOL_PART_DIM "0" at 321.615,341.833 h0.64 r270
R31: PIN_NUMBER "2" at 316.027,323.342 h0.51 r90; PIN_NUMBER "1" at 316.027,324.358 h0.51 r90; ASSEMBLY_BOTTOM "22" at 316.23,323.85 h0.64 r90; ASSEMBLY_BOTTOM "TOLERANCE" at 318.77,323.85 h0.64 r90; ASSEMBLY_BOTTOM "USERPART#" at 320.04,323.85 h0.64 r90; SYMBOL_PART_DIM "PAD 35X32 OV" at 321.005,326.974 h0.64 r90; SYMBOL_PART_DIM "C402-35X32" at 319.735,326.974 h0.64 r90; SYMBOL_PART_DIM "0" at 318.364,324.053 h0.64 r90; SYMBOL_PART_DIM "0" at 316.56,326.187 h0.64 r90
R32: PIN_NUMBER "1" at 317.297,324.358 h0.51 r90; PIN_NUMBER "2" at 317.297,323.342 h0.51 r90; ASSEMBLY_BOTTOM "22" at 317.5,323.85 h0.64 r90; ASSEMBLY_BOTTOM "TOLERANCE" at 320.04,323.85 h0.64 r90; ASSEMBLY_BOTTOM "USERPART#" at 321.31,323.85 h0.64 r90; SYMBOL_PART_DIM "PAD 35X32 OV" at 322.275,326.974 h0.64 r90; SYMBOL_PART_DIM "C402-35X32" at 321.005,326.974 h0.64 r90; SYMBOL_PART_DIM "0" at 319.634,324.053 h0.64 r90; SYMBOL_PART_DIM "0" at 317.83,326.187 h0.64 r90
R33: PIN_NUMBER "2" at 316.027,321.056 h0.51 r90; PIN_NUMBER "1" at 316.027,320.04 h0.51 r90; ASSEMBLY_TOP "NO-POP" at 316.23,320.548 h0.64 r90; ASSEMBLY_TOP "TOLERANCE" at 318.77,320.548 h0.64 r90; ASSEMBLY_TOP "USERPART#" at 320.04,320.548 h0.64 r90; SYMBOL_PART_DIM "PAD 35X32 OV" at 321.005,317.424 h0.64 r90; SYMBOL_PART_DIM "C402-35X32" at 319.735,317.424 h0.64 r90; SYMBOL_PART_DIM "0" at 318.364,320.345 h0.64 r90; SYMBOL_PART_DIM "0" at 316.56,318.211 h0.64 r90
R34: PIN_NUMBER "2" at 317.297,321.056 h0.51 r90; PIN_NUMBER "1" at 317.297,320.04 h0.51 r90; ASSEMBLY_TOP "NO-POP" at 317.5,320.548 h0.64 r90; ASSEMBLY_TOP "TOLERANCE" at 320.04,320.548 h0.64 r90; ASSEMBLY_TOP "USERPART#" at 321.31,320.548 h0.64 r90; SYMBOL_PART_DIM "PAD 35X32 OV" at 322.275,317.424 h0.64 r90; SYMBOL_PART_DIM "C402-35X32" at 321.005,317.424 h0.64 r90; SYMBOL_PART_DIM "0" at 319.634,320.345 h0.64 r90; SYMBOL_PART_DIM "0" at 317.83,318.211 h0.64 r90
R35: PIN_NUMBER "1" at 276.911,318.897 h0.51; PIN_NUMBER "2" at 275.895,318.897 h0.51; ASSEMBLY_BOTTOM "20K" at 276.606,318.897 h0.64; ASSEMBLY_BOTTOM "TOLERANCE" at 276.606,316.357 h0.64; ASSEMBLY_BOTTOM "USERPART#" at 276.606,315.087 h0.64; SYMBOL_PART_DIM "PAD 35X32 OV" at 279.73,314.122 h0.64; SYMBOL_PART_DIM "C402-35X32" at 279.73,315.392 h0.64; SYMBOL_PART_DIM "0" at 276.809,316.763 h0.64; SYMBOL_PART_DIM "0" at 278.943,318.567 h0.64
R36: PIN_NUMBER "1" at 275.895,319.913 h0.51 r180; PIN_NUMBER "2" at 276.911,319.913 h0.51 r180; ASSEMBLY_BOTTOM "NO-POP" at 276.606,319.913 h0.64 r180; ASSEMBLY_BOTTOM "TOLERANCE" at 276.606,322.453 h0.64 r180; ASSEMBLY_BOTTOM "USERPART#" at 276.606,323.723 h0.64 r180; SYMBOL_PART_DIM "PAD 35X32 OV" at 273.482,324.688 h0.64 r180; SYMBOL_PART_DIM "C402-35X32" at 273.482,323.418 h0.64 r180; SYMBOL_PART_DIM "0" at 276.403,322.047 h0.64 r180; SYMBOL_PART_DIM "0" at 274.269,320.243 h0.64 r180
R37: PIN_NUMBER "1" at 276.149,313.055 h0.51; PIN_NUMBER "2" at 275.133,313.055 h0.51; ASSEMBLY_BOTTOM "20K" at 275.844,313.055 h0.64; ASSEMBLY_BOTTOM "TOLERANCE" at 275.844,310.515 h0.64; ASSEMBLY_BOTTOM "USERPART#" at 275.844,309.245 h0.64; SYMBOL_PART_DIM "PAD 35X32 OV" at 278.968,308.28 h0.64; SYMBOL_PART_DIM "C402-35X32" at 278.968,309.55 h0.64; SYMBOL_PART_DIM "0" at 276.047,310.921 h0.64; SYMBOL_PART_DIM "0" at 278.181,312.725 h0.64
R38: PIN_NUMBER "1" at 275.133,314.071 h0.51 r180; PIN_NUMBER "2" at 276.149,314.071 h0.51 r180; ASSEMBLY_BOTTOM "NO-POP" at 275.844,314.071 h0.64 r180; ASSEMBLY_BOTTOM "TOLERANCE" at 275.844,316.611 h0.64 r180; ASSEMBLY_BOTTOM "USERPART#" at 275.844,317.881 h0.64 r180; SYMBOL_PART_DIM "PAD 35X32 OV" at 272.72,318.846 h0.64 r180; SYMBOL_PART_DIM "C402-35X32" at 272.72,317.576 h0.64 r180; SYMBOL_PART_DIM "0" at 275.641,316.205 h0.64 r180; SYMBOL_PART_DIM "0" at 273.507,314.401 h0.64 r180
R39: PIN_NUMBER "1" at 318.567,323.342 h0.51 r270; PIN_NUMBER "2" at 318.567,324.358 h0.51 r270; ASSEMBLY_BOTTOM "22" at 318.77,323.85 h0.64 r270; ASSEMBLY_BOTTOM "TOLERANCE" at 316.23,323.85 h0.64 r270; ASSEMBLY_BOTTOM "USERPART#" at 314.96,323.85 h0.64 r270; SYMBOL_PART_DIM "PAD 35X32 OV" at 313.995,320.726 h0.64 r270; SYMBOL_PART_DIM "C402-35X32" at 315.265,320.726 h0.64 r270; SYMBOL_PART_DIM "0" at 316.636,323.647 h0.64 r270; SYMBOL_PART_DIM "0" at 318.44,321.513 h0.64 r270
R40: PIN_NUMBER "1" at 312.217,304.038 h0.51 r90; PIN_NUMBER "2" at 312.217,303.022 h0.51 r90; ASSEMBLY_BOTTOM "2.2K" at 312.42,303.53 h0.64 r90; ASSEMBLY_BOTTOM "TOLERANCE" at 314.96,303.53 h0.64 r90; ASSEMBLY_BOTTOM "USERPART#" at 316.23,303.53 h0.64 r90; SYMBOL_PART_DIM "PAD 35X32 OV" at 317.195,306.654 h0.64 r90; SYMBOL_PART_DIM "C402-35X32" at 315.925,306.654 h0.64 r90; SYMBOL_PART_DIM "0" at 314.554,303.733 h0.64 r90; SYMBOL_PART_DIM "0" at 312.75,305.867 h0.64 r90
R41: PIN_NUMBER "1" at 313.487,304.038 h0.51 r90; PIN_NUMBER "2" at 313.487,303.022 h0.51 r90; ASSEMBLY_BOTTOM "2.2K" at 313.69,303.53 h0.64 r90; ASSEMBLY_BOTTOM "TOLERANCE" at 316.23,303.53 h0.64 r90; ASSEMBLY_BOTTOM "USERPART#" at 317.5,303.53 h0.64 r90; SYMBOL_PART_DIM "PAD 35X32 OV" at 318.465,306.654 h0.64 r90; SYMBOL_PART_DIM "C402-35X32" at 317.195,306.654 h0.64 r90; SYMBOL_PART_DIM "0" at 315.824,303.733 h0.64 r90; SYMBOL_PART_DIM "0" at 314.02,305.867 h0.64 r90
R42: PIN_NUMBER "1" at 309.677,304.038 h0.51 r90; PIN_NUMBER "2" at 309.677,303.022 h0.51 r90; ASSEMBLY_BOTTOM "2.2K" at 309.88,303.53 h0.64 r90; ASSEMBLY_BOTTOM "TOLERANCE" at 312.42,303.53 h0.64 r90; ASSEMBLY_BOTTOM "USERPART#" at 313.69,303.53 h0.64 r90; SYMBOL_PART_DIM "PAD 35X32 OV" at 314.655,306.654 h0.64 r90; SYMBOL_PART_DIM "C402-35X32" at 313.385,306.654 h0.64 r90; SYMBOL_PART_DIM "0" at 312.014,303.733 h0.64 r90; SYMBOL_PART_DIM "0" at 310.21,305.867 h0.64 r90
R43: PIN_NUMBER "1" at 310.947,304.038 h0.51 r90; PIN_NUMBER "2" at 310.947,303.022 h0.51 r90; ASSEMBLY_BOTTOM "2.2K" at 311.15,303.53 h0.64 r90; ASSEMBLY_BOTTOM "TOLERANCE" at 313.69,303.53 h0.64 r90; ASSEMBLY_BOTTOM "USERPART#" at 314.96,303.53 h0.64 r90; SYMBOL_PART_DIM "PAD 35X32 OV" at 315.925,306.654 h0.64 r90; SYMBOL_PART_DIM "C402-35X32" at 314.655,306.654 h0.64 r90; SYMBOL_PART_DIM "0" at 313.284,303.733 h0.64 r90; SYMBOL_PART_DIM "0" at 311.48,305.867 h0.64 r90
R44: PIN_NUMBER "1" at 274.117,344.678 h0.51 r90; PIN_NUMBER "2" at 274.117,343.662 h0.51 r90; ASSEMBLY_BOTTOM "360" at 274.32,344.17 h0.64 r90; ASSEMBLY_BOTTOM "TOLERANCE" at 276.86,344.17 h0.64 r90; ASSEMBLY_BOTTOM "USERPART#" at 278.13,344.17 h0.64 r90; SYMBOL_PART_DIM "PAD 35X32 OV" at 279.095,347.294 h0.64 r90; SYMBOL_PART_DIM "C402-35X32" at 277.825,347.294 h0.64 r90; SYMBOL_PART_DIM "0" at 276.454,344.373 h0.64 r90; SYMBOL_PART_DIM "0" at 274.65,346.507 h0.64 r90
R45: PIN_NUMBER "1" at 313.487,310.388 h0.51 r90; PIN_NUMBER "2" at 313.487,309.372 h0.51 r90; ASSEMBLY_BOTTOM "360" at 313.69,309.88 h0.64 r90; ASSEMBLY_BOTTOM "TOLERANCE" at 316.23,309.88 h0.64 r90; ASSEMBLY_BOTTOM "USERPART#" at 317.5,309.88 h0.64 r90; SYMBOL_PART_DIM "PAD 35X32 OV" at 318.465,313.004 h0.64 r90; SYMBOL_PART_DIM "C402-35X32" at 317.195,313.004 h0.64 r90; SYMBOL_PART_DIM "0" at 315.824,310.083 h0.64 r90; SYMBOL_PART_DIM "0" at 314.02,312.217 h0.64 r90
R46: PIN_NUMBER "1" at 269.672,337.312 h0.51 r270; PIN_NUMBER "2" at 269.672,338.328 h0.51 r270; ASSEMBLY_BOTTOM "2K" at 269.875,337.82 h0.64 r270; ASSEMBLY_BOTTOM "TOLERANCE" at 267.335,337.82 h0.64 r270; ASSEMBLY_BOTTOM "USERPART#" at 266.065,337.82 h0.64 r270; SYMBOL_PART_DIM "PAD 35X32 OV" at 265.1,334.696 h0.64 r270; SYMBOL_PART_DIM "C402-35X32" at 266.37,334.696 h0.64 r270; SYMBOL_PART_DIM "0" at 267.741,337.617 h0.64 r270; SYMBOL_PART_DIM "0" at 269.545,335.483 h0.64 r270
R47: PIN_NUMBER "1" at 308.407,303.022 h0.51 r270; PIN_NUMBER "2" at 308.407,304.038 h0.51 r270; ASSEMBLY_BOTTOM "2K" at 308.61,303.53 h0.64 r270; ASSEMBLY_BOTTOM "TOLERANCE" at 306.07,303.53 h0.64 r270; ASSEMBLY_BOTTOM "USERPART#" at 304.8,303.53 h0.64 r270; SYMBOL_PART_DIM "PAD 35X32 OV" at 303.835,300.406 h0.64 r270; SYMBOL_PART_DIM "C402-35X32" at 305.105,300.406 h0.64 r270; SYMBOL_PART_DIM "0" at 306.476,303.327 h0.64 r270; SYMBOL_PART_DIM "0" at 308.28,301.193 h0.64 r270
R48: PIN_NUMBER "1" at 272.847,321.818 h0.51 r90; PIN_NUMBER "2" at 272.847,320.802 h0.51 r90; ASSEMBLY_BOTTOM "360" at 273.05,321.31 h0.64 r90; ASSEMBLY_BOTTOM "TOLERANCE" at 275.59,321.31 h0.64 r90; ASSEMBLY_BOTTOM "USERPART#" at 276.86,321.31 h0.64 r90; SYMBOL_PART_DIM "PAD 35X32 OV" at 277.825,324.434 h0.64 r90; SYMBOL_PART_DIM "C402-35X32" at 276.555,324.434 h0.64 r90; SYMBOL_PART_DIM "0" at 275.184,321.513 h0.64 r90; SYMBOL_PART_DIM "0" at 273.38,323.647 h0.64 r90
R49: PIN_NUMBER "1" at 269.672,314.452 h0.51 r270; PIN_NUMBER "2" at 269.672,315.468 h0.51 r270; ASSEMBLY_BOTTOM "2K" at 269.875,314.96 h0.64 r270; ASSEMBLY_BOTTOM "TOLERANCE" at 267.335,314.96 h0.64 r270; ASSEMBLY_BOTTOM "USERPART#" at 266.065,314.96 h0.64 r270; SYMBOL_PART_DIM "PAD 35X32 OV" at 265.1,311.836 h0.64 r270; SYMBOL_PART_DIM "C402-35X32" at 266.37,311.836 h0.64 r270; SYMBOL_PART_DIM "0" at 267.741,314.757 h0.64 r270; SYMBOL_PART_DIM "0" at 269.545,312.623 h0.64 r270
R50: PIN_NUMBER "1" at 270.307,325.882 h0.51 r270; PIN_NUMBER "2" at 270.307,326.898 h0.51 r270; ASSEMBLY_BOTTOM "2K" at 270.51,326.39 h0.64 r270; ASSEMBLY_BOTTOM "TOLERANCE" at 267.97,326.39 h0.64 r270; ASSEMBLY_BOTTOM "USERPART#" at 266.7,326.39 h0.64 r270; SYMBOL_PART_DIM "PAD 35X32 OV" at 265.735,323.266 h0.64 r270; SYMBOL_PART_DIM "C402-35X32" at 267.005,323.266 h0.64 r270; SYMBOL_PART_DIM "0" at 268.376,326.187 h0.64 r270; SYMBOL_PART_DIM "0" at 270.18,324.053 h0.64 r270
R51: PIN_NUMBER "1" at 271.577,333.248 h0.51 r90; PIN_NUMBER "2" at 271.577,332.232 h0.51 r90; ASSEMBLY_BOTTOM "2K" at 271.78,332.74 h0.64 r90; ASSEMBLY_BOTTOM "TOLERANCE" at 274.32,332.74 h0.64 r90; ASSEMBLY_BOTTOM "USERPART#" at 275.59,332.74 h0.64 r90; SYMBOL_PART_DIM "PAD 35X32 OV" at 276.555,335.864 h0.64 r90; SYMBOL_PART_DIM "C402-35X32" at 275.285,335.864 h0.64 r90; SYMBOL_PART_DIM "0" at 273.914,332.943 h0.64 r90; SYMBOL_PART_DIM "0" at 272.11,335.077 h0.64 r90
R52: PIN_NUMBER "1" at 265.989,375.92 h0.51 r180; PIN_NUMBER "2" at 267.005,375.92 h0.51 r180; ASSEMBLY_BOTTOM "100K" at 266.7,375.92 h0.64 r180; ASSEMBLY_BOTTOM "TOLERANCE" at 266.7,378.46 h0.64 r180; ASSEMBLY_BOTTOM "USERPART#" at 266.7,379.73 h0.64 r180; SYMBOL_PART_DIM "PAD 35X32 OV" at 263.576,380.695 h0.64 r180; SYMBOL_PART_DIM "C402-35X32" at 263.576,379.425 h0.64 r180; SYMBOL_PART_DIM "0" at 266.497,378.054 h0.64 r180; SYMBOL_PART_DIM "0" at 264.363,376.25 h0.64 r180
R53: PIN_NUMBER "2" at 263.703,377.19 h0.51 r270; PIN_NUMBER "1" at 263.703,376.174 h0.51 r270; ASSEMBLY_BOTTOM "10K" at 263.906,376.682 h0.64 r270; ASSEMBLY_BOTTOM "TOLERANCE" at 261.366,376.682 h0.64 r270; ASSEMBLY_BOTTOM "USERPART#" at 260.096,376.682 h0.64 r270; SYMBOL_PART_DIM "PAD 35X32 OV" at 259.131,373.558 h0.64 r270; SYMBOL_PART_DIM "C402-35X32" at 260.401,373.558 h0.64 r270; SYMBOL_PART_DIM "0" at 261.772,376.479 h0.64 r270; SYMBOL_PART_DIM "0" at 263.576,374.345 h0.64 r270
R54: PIN_NUMBER "1" at 263.957,369.443 h0.51 r90; PIN_NUMBER "2" at 263.957,368.427 h0.51 r90; ASSEMBLY_BOTTOM "NO-POP" at 264.16,368.935 h0.64 r90; ASSEMBLY_BOTTOM "TOLERANCE" at 266.7,368.935 h0.64 r90; ASSEMBLY_BOTTOM "USERPART#" at 267.97,368.935 h0.64 r90; SYMBOL_PART_DIM "PAD 35X32 OV" at 268.935,372.059 h0.64 r90; SYMBOL_PART_DIM "C402-35X32" at 267.665,372.059 h0.64 r90; SYMBOL_PART_DIM "0" at 266.294,369.138 h0.64 r90; SYMBOL_PART_DIM "0" at 264.49,371.272 h0.64 r90
R55: PIN_NUMBER "2" at 300.203,345.059 h1.02 r90; PIN_NUMBER "1" at 300.203,342.011 h1.02 r90; ASSEMBLY_TOP "0.02" at 300.609,342.392 h1.02 r90; ASSEMBLY_TOP "X" at 300.609,343.408 h1.02 r90; ASSEMBLY_TOP "X" at 300.482,344.17 h1.02 r90; SYMB_DIM "PAD 40X70OV" at 294.996,354.33 h1.02 r90; SYMB_DIM "SM  48X78OV" at 296.774,354.33 h1.02 r90; SYMB_DIM "SP  40X70OV" at 298.806,354.33 h1.02 r90; SYMB_DIM "R1206-40X70" at 290.551,343.535 h1.02 r90; SYMB_DIM "0" at 303.911,342.9 h1.02 r90; SYMB_DIM "0" at 300.736,339.09 h1.02 r90
R56: PIN_NUMBER "1" at 262.052,368.427 h0.51 r270; PIN_NUMBER "2" at 262.052,369.443 h0.51 r270; ASSEMBLY_BOTTOM "10K" at 262.255,368.935 h0.64 r270; ASSEMBLY_BOTTOM "TOLERANCE" at 259.715,368.935 h0.64 r270; ASSEMBLY_BOTTOM "USERPART#" at 258.445,368.935 h0.64 r270; SYMBOL_PART_DIM "PAD 35X32 OV" at 257.48,365.811 h0.64 r270; SYMBOL_PART_DIM "C402-35X32" at 258.75,365.811 h0.64 r270; SYMBOL_PART_DIM "0" at 260.121,368.732 h0.64 r270; SYMBOL_PART_DIM "0" at 261.925,366.598 h0.64 r270